# KiCad board pcb.kicad_pcb (continued)
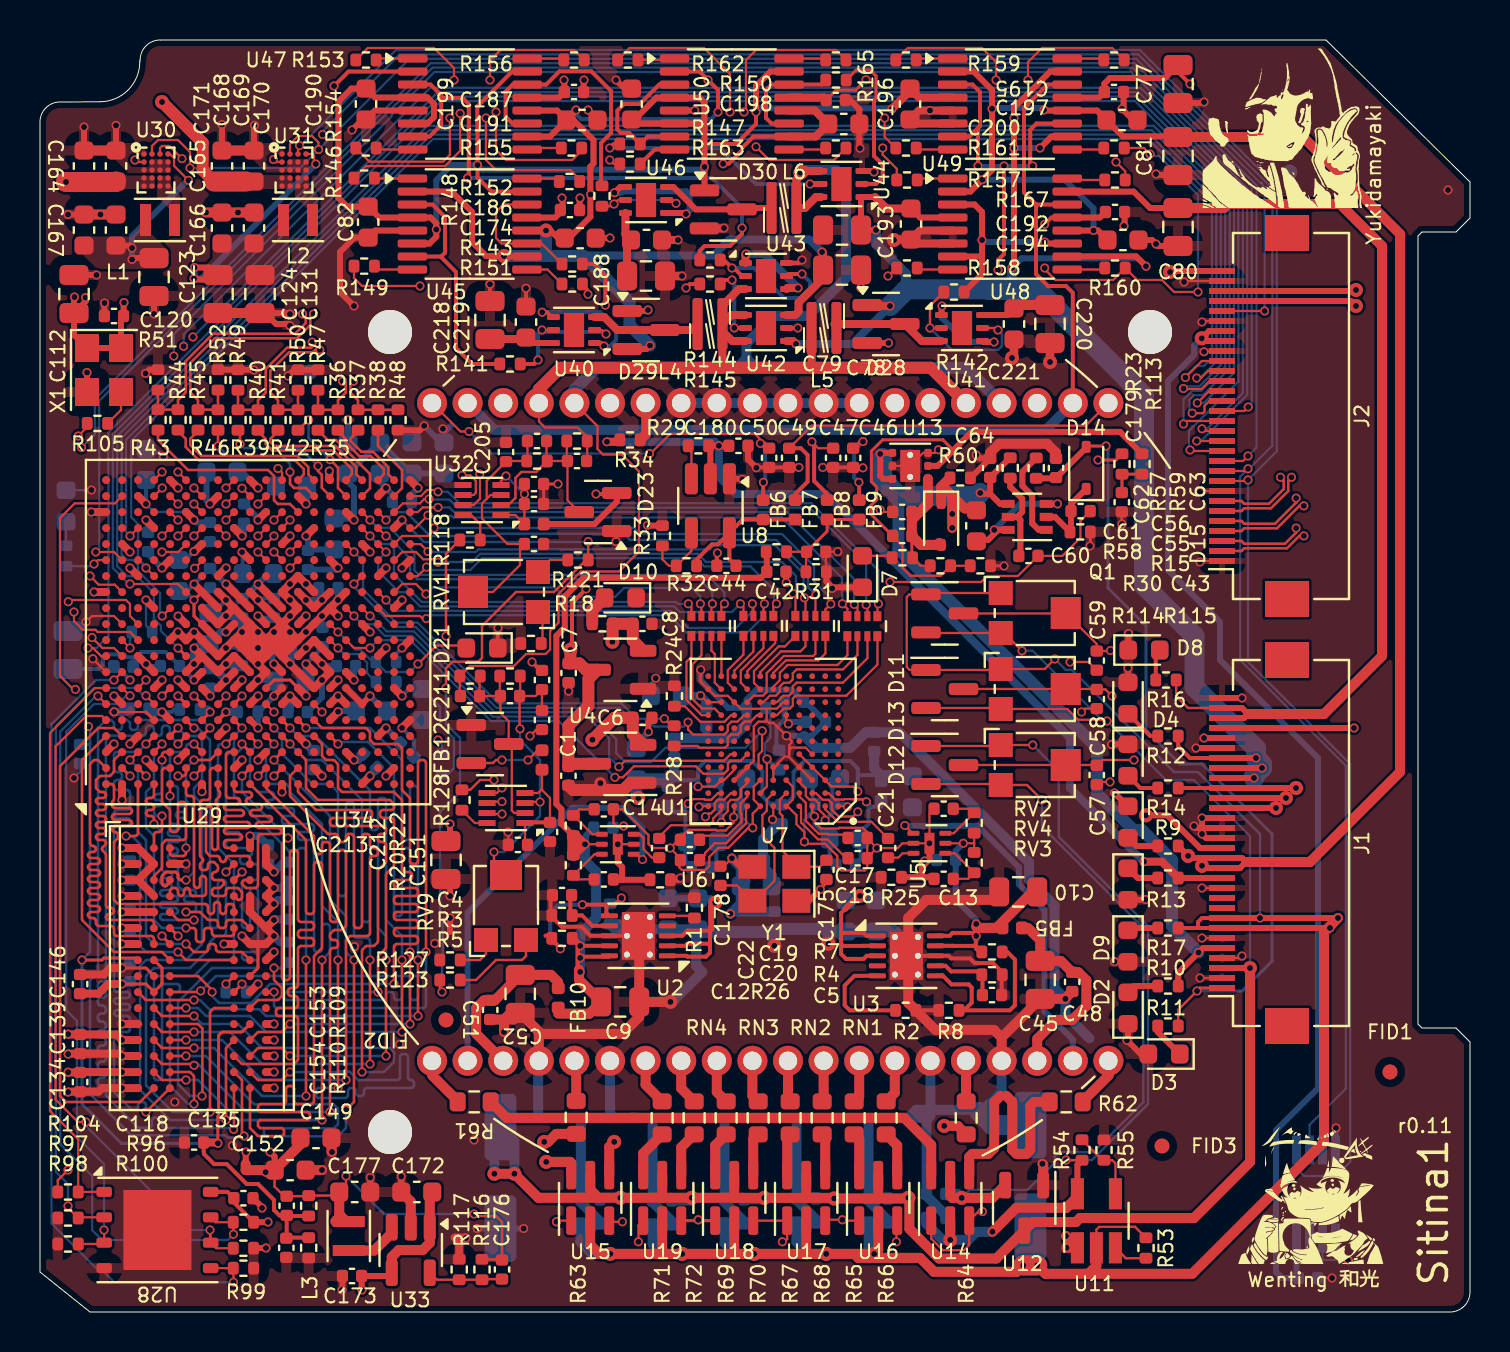
[diagram p0: board, top side]
## Routing (per net, layer and track width the routed paths; a pad name or vN(x,y) marks a point on that pad's centre or on a via; arc(x,y) is an arc through that point) (continued)
/ccd/VOGL: length 20.2
  Top w0.11: U10.40 52.29,44.32 38.59,44.32 C49.1
  Top w0.2: C49.1 38.04,43.19 38.38,42.85 38.38,41.52 37.76,40.9
/ccd/VOGR: length 21.8
  Top w0.11: v1(30.47,42.93) 30.58,43.03 30.64,43.03 31.51,43.91 35.74,43.91 C50.1 ; v1(21.45,44.03) 21.03,44.03 U10.21
  Top w0.2: C50.1 36.21,43.43 v1(36.02,43.43) ; v1(36.17,41.48) 36.16,41.47 36.16,40.9
  Bottom w0.11: v1(30.47,42.93) 22.55,42.93 v1(21.45,44.03)
  Bottom w0.2: v1(36.02,43.43) 36.25,43.2 36.25,41.57 v1(36.17,41.48)
/ccd/VRDL: length 13
  Top w0.11: C46.1 40.99,43.52 v1(41.15,43.52)
  Top w0.2: 40.96,40.9 40.96,41.47 v1(40.94,41.48)
  In2.Cu w0.13: v1(41.15,43.52) 41.73,44.11 48.52,44.11 U10.38
  Bottom w0.2: v1(40.94,41.48) 40.71,41.72 40.71,43.08 v1(41.15,43.52)
/ccd/VRDR: length 20.9
  Top w0.11: v1(38.59,43.51) 38.91,43.19 C47.1
  Top w0.2: 39.36,40.9 38.71,41.55 38.71,43.4 v1(38.59,43.51)
  In2.Cu w0.13: v1(38.59,43.51) 38.1,44.01 23.71,44.01 23.16,44.56 U10.23
/ccd_driver/H1BINL: length 19.9
  Top w0.5: R64.1 45.89,9.31 v2(45.21,9.31) ; v2(28.71,8.51) 28.46,8.26 U15.4
  In2.Cu w0.5: v2(28.71,8.51) 44.41,8.51 v2(45.21,9.31)
/ccd_driver/H1BINR: length 15
  Top w0.5: v2(25.31,7.51) 26.51,7.51 26.56,7.46 U15.6 ; R63.1 25.81,8.91 25.41,8.51 v2(25.21,8.51)
  In2.Cu w0.5: v2(25.31,7.51) 25.31,6.92 25.92,6.31 28.12,6.31 28.27,6.46 29.47,6.46 29.82,6.81 29.82,7.21 29.57,7.46 28.27,7.46 28.02,7.71 28.02,8.21 27.72,8.51 v2(25.21,8.51)
/ccd_driver/H1BL: length 2.1
  Top w0.5: R68.1 39.26,8.73 U17.4
/ccd_driver/H1BR: length 2.3
  Top w0.5: R69.1 33.76,8.33 U18.6
/ccd_driver/H1S: length 65.9
  Top w0.11: U17.3 39.3,4.61 v1(40.12,4.61) 40.16,4.57 U16.1 ; D13.3 RV4.2 52.82,31.15 C58.2 ; v1(25.82,4.51) 25.88,4.57 U15.1 ; U15.3 28.52,4.51 v1(29.12,4.51)
  Top w0.12: v1(53.6,30.8) 53.27,31.13 C58.2
  Top w0.15: U18.1 32.95,4.57 v3(32.91,4.61) 32.87,4.57 U19.3
  In2.Cu w0.11: 56.1,25.4 54.19,27.32 54.19,30.22 54.15,30.25 ; v1(25.82,4.51) v1(29.12,4.51) 32.81,4.51 v3(32.91,4.61) v1(40.12,4.61)
  In2.Cu w0.12: v1(40.12,4.61) 45.91,4.61 47.4,6.1 50.5,6.1 56.1,11.7 56.1,25.4 ; v1(53.6,30.8) 54.15,30.25
/ccd_driver/H1SL: length 2.1
  Top w0.5: U16.6 40.96,8.63 R65.1
/ccd_driver/H1SR: length 2.3
  Top w0.5: U19.4 32.06,8.23 R72.1
/ccd_driver/H2BL: length 2.1
  Top w0.5: R67.1 37.36,8.73 U17.6
/ccd_driver/H2BR: length 2.1
  Top w0.5: R70.1 35.66,8.63 U18.4
/ccd_driver/H2S: length 66.6
  Top w0.11: U18.3 U17.1 37.36,3.65 37.22,3.51 v1(37.12,3.51) ; U19.1 29.92,4.33 v1(29.92,3.51) ; D11.3 51.27,34.93 RV2.2 52.84,33.4 C59.2 53.5,33.05 v1(53.53,33.08) ; v1(42.82,3.51) 42.82,4.53 U16.3
  In2.Cu w0.11: v1(42.82,3.51) v1(37.12,3.51) v1(29.92,3.51)
  In2.Cu w0.12: v1(42.82,3.51) 43.07,3.51 43.92,4.36 47.41,4.36 47.95,4.9 50.3,4.9 56.7,11.3 56.7,29 53.53,32.18 v1(53.53,33.08)
/ccd_driver/H2SL: length 2.3
  Top w0.5: R66.1 42.86,8.33 U16.4
/ccd_driver/H2SR: length 2.4
  Top w0.5: R71.1 30.16,7.93 U19.6
/ccd_driver/RGS: length 42.7
  Top w0.11: v1(54.7,27.6) 53.11,27.6 C57.2 ; 52.82,27.35 RV3.2 D12.3 ; U14.1 44.56,3.67 45.14,3.09 46.2,3.09 46.46,3.35 U14.3 46.91,5.02 v1(47.12,5.02)
  In2.Cu w0.11: v1(47.12,5.02) 47.86,5.76 50.84,5.76 56.4,11.32 56.4,25.9 v1(54.7,27.6)
/ccd_driver/RL: length 12.2
  Top w0.5: R62.1 49.71,10.51 49.51,10.31 49.51,8.1 49.32,7.91 48.82,7.91 48.61,8.12 48.61,10.51 48.32,10.81 ; 48.02,10.81 47.71,10.5 47.71,8.2 47.42,7.91 46.61,7.91 46.46,7.76 U14.4
/ccd_driver/RR: length 24.4
  Top w0.5: U14.6 44.56,8.36 43.21,9.71 23.34,9.71 R61.1
/ccd_sampler/VMID_1: length 14.9
  Top w0.11: R126.2 24.01,30.83 C209.2 24.78,30.8 C210.1 C211.2
  Top w0.12: v1(24,29.16) 23.98,29.18 C209.2 ; v1(25,25.5) 24.3,25.5 U34.3 ; RV9.2 22.7,22.45 v1(22.7,23)
  Bottom w0.12: v1(24,29.16) 24,28.6 25,27.6 v1(25,25.5) 25,24.8 23.2,23 v1(22.7,23)
/ccd_sampler/VMID_2: length 12.9
  Top w0.11: U32.3 22.53,40.85 22.34,40.66 ; 22.34,40.66 22.34,41.56 C205.1 23.33,42.55 R119.2 24.37,42.58 C203.2 ; 22.34,40.66 22.1,40.43 22.1,39.68 23.38,38.4 C207.2 24,38.18 24,37.35 22.65,36 RV1.2
/fpga_config/FPGA_DONE: length 8.4
  Top w0.1: 14.5,34.4 v1(14.9,34)
  Top w0.11: v1(18.9,32.4) 19.82,33.33 21.4,33.33
  Bottom w0.11: v1(14.9,34) 15.78,33.12 16.02,33.12 16.64,32.5 R101.2 17.29,32 18.5,32 v1(18.9,32.4)
/fpga_config/INIT_B: length 3.5
  Top w0.1: 14.5,33.6 v1(14.9,33.2)
  Bottom w0.11: R102.2 16.35,31.95 16.35,32.47 15.93,32.9 15.2,32.9 v1(14.9,33.2)
/fpga_config/PROG_B: length 10.4
  Top w0.11: U27.L6 v1(11.7,30)
  In2.Cu w0.11: v1(11.7,30) 12.11,30.41 15.89,30.41 16.5,29.8 18.7,29.8 v1(19.9,28.6)
  Bottom w0.11: R103.2 20.1,28.4 v1(19.9,28.6)
/fpga_config/PS_CLK: length 17.2
  Top w0.11: v1(1.91,43.8) 2.36,44.25 R105.2
  Top w0.15: 6.5,31.2 v1(6.1,30.8)
  In2.Cu w0.11: v1(1.91,43.8) 1.66,43.55 1.66,36.15 3.1,34.71 3.1,32.8 4.1,31.8 4.1,31.35 4.24,31.21 5.69,31.21 v1(6.1,30.8)
/fpga_ddr/DRAM_ADDR0: length 39.4
  Top w0.127: 6.5,13.6 v1(7.3,13.6) ; 12.9,27.2 12.53,26.83 arc(12.51,26.8) 12.5,26.76 12.5,25.84 arc(12.51,25.8) 12.53,25.77 14.37,23.93 arc(14.4,23.91) 14.44,23.9 14.76,23.9 arc(14.8,23.89) 14.83,23.87 14.87,23.83 arc(14.89,23.8) 14.9,23.76 14.9,23.64 arc(14.91,23.6) 14.93,23.57 14.97,23.53 arc(15,23.51) 15.04,23.5 15.16,23.5 arc(15.2,23.51) 15.23,23.53 15.27,23.57 arc(15.29,23.6) 15.3,23.64 15.3,23.76 arc(15.31,23.8) 15.33,23.83 15.37,23.87 arc(15.4,23.89) 15.44,23.9 15.56,23.9 arc(15.6,23.89) 15.63,23.87 15.67,23.83 arc(15.69,23.8) 15.7,23.76 15.7,19.34 arc(15.71,19.3) 15.73,19.27 15.77,19.23 arc(15.8,19.21) 15.84,19.2 15.96,19.2 arc(16,19.21) 16.03,19.23 16.07,19.27 arc(16.09,19.3) 16.1,19.34 16.1,23.76 arc(16.11,23.8) 16.13,23.83 16.17,23.87 arc(16.2,23.89) 16.24,23.9 16.36,23.9 arc(16.4,23.89) 16.43,23.87 16.47,23.83 arc(16.49,23.8) 16.5,23.76 16.5,23.34 arc(16.51,23.3) 16.53,23.27 16.57,23.23 arc(16.6,23.21) 16.64,23.2 16.76,23.2 arc(16.8,23.19) 16.83,23.17 16.87,23.13 arc(16.89,23.1) 16.9,23.06 16.9,22.94 arc(16.89,22.9) 16.87,22.87 16.83,22.83 arc(16.8,22.81) 16.76,22.8 16.64,22.8 arc(16.6,22.79) 16.57,22.77 16.53,22.73 arc(16.51,22.7) 16.5,22.66 16.5,18.94 arc(16.49,18.9) 16.47,18.87 16.43,18.83 arc(16.4,18.81) 16.36,18.8 15.54,18.8 arc(15.5,18.79) 15.47,18.77 15.33,18.63 arc(15.31,18.6) 15.3,18.56 v1(15.3,11.6)
  Bottom w0.127: v1(15.3,11.6) 11.14,11.6 arc(11.1,11.61) 11.07,11.63 9.13,13.57 arc(9.1,13.59) 9.06,13.6 v1(7.3,13.6)
/fpga_ddr/DRAM_ADDR1: length 38.1
  Top w0.127: v1(12.4,23.7) 12.13,23.43 arc(12.11,23.4) 12.1,23.36 12.1,16.74 arc(12.11,16.7) 12.13,16.67 12.17,16.63 arc(12.2,16.61) 12.24,16.6 12.36,16.6 arc(12.4,16.61) 12.43,16.63 12.47,16.67 arc(12.49,16.7) 12.5,16.74 12.5,22.96 arc(12.51,23) 12.53,23.03 12.57,23.07 arc(12.6,23.09) 12.64,23.1 12.76,23.1 arc(12.8,23.09) 12.83,23.07 12.87,23.03 arc(12.89,23) 12.9,22.96 12.9,19.64 arc(12.91,19.6) 12.93,19.57 12.97,19.53 arc(13,19.51) 13.04,19.5 13.56,19.5 arc(13.6,19.49) 13.63,19.47 13.67,19.43 arc(13.69,19.4) 13.7,19.36 13.7,19.24 arc(13.69,19.2) 13.67,19.17 13.63,19.13 arc(13.6,19.11) 13.56,19.1 13.04,19.1 arc(13,19.09) 12.97,19.07 12.93,19.03 arc(12.91,19) 12.9,18.96 12.9,18.84 arc(12.91,18.8) 12.93,18.77 12.97,18.73 arc(13,18.71) 13.04,18.7 13.56,18.7 arc(13.6,18.69) 13.63,18.67 13.67,18.63 arc(13.69,18.6) 13.7,18.56 13.7,18.44 arc(13.69,18.4) 13.67,18.37 13.63,18.33 arc(13.6,18.31) 13.56,18.3 13.04,18.3 arc(13,18.29) 12.97,18.27 12.93,18.23 arc(12.91,18.2) 12.9,18.16 12.9,16.34 arc(12.89,16.3) 12.87,16.27 12.83,16.23 arc(12.8,16.21) 12.76,16.2 12.54,16.2 arc(12.5,16.19) 12.47,16.17 12.43,16.13 arc(12.41,16.1) 12.4,16.06 12.4,15.94 arc(12.41,15.9) 12.43,15.87 12.47,15.83 arc(12.5,15.81) 12.54,15.8 12.76,15.8 arc(12.8,15.79) 12.83,15.77 12.87,15.73 arc(12.89,15.7) 12.9,15.66 12.9,15.34 arc(12.89,15.3) 12.87,15.27 12.83,15.23 arc(12.8,15.21) 12.76,15.2 11.94,15.2 arc(11.9,15.19) 11.87,15.17 11.83,15.13 arc(11.81,15.1) 11.8,15.06 11.8,14.94 arc(11.81,14.9) 11.83,14.87 11.87,14.83 arc(11.9,14.81) 11.94,14.8 12.76,14.8 arc(12.8,14.79) 12.83,14.77 12.87,14.73 arc(12.89,14.7) 12.9,14.66 12.9,12.64 arc(12.89,12.6) 12.87,12.57 12.73,12.43 arc(12.7,12.41) 12.66,12.4 10.14,12.4 arc(10.1,12.41) 10.07,12.43 9.7,12.8
  Top w0.15: 10.5,27.2 v1(10.1,26.8)
  Bottom w0.127: v1(12.4,23.7) 10.13,25.97 arc(10.11,26) 10.1,26.04 v1(10.1,26.8)
/fpga_ddr/DRAM_ADDR2: length 39.4
  Top w0.127: v1(15.7,17.6) 15.7,10.5 v1(15.3,10.1) ; 6.5,12.8 v1(7.3,12.8)
  Top w0.15: 12.1,28 v1(11.7,27.6)
  Bottom w0.127: v1(15.3,10.1) 15.3,9.2 14.9,8.8 14.9,8.78 11.32,8.78 11.2,8.9 11.2,9.1 11.28,9.18 14.7,9.18 14.9,9.38 14.9,10.16 14.67,10.4 14.11,10.4 14.1,10.38 10.75,10.38 arc(10.71,10.39) 10.68,10.41 8.29,12.8 7.32,12.8 7.3,12.78 ; v1(11.7,27.6) 14.47,24.83 arc(14.49,24.8) 14.5,24.76 14.5,20.64 arc(14.51,20.6) 14.53,20.57 15.27,19.83 arc(15.29,19.8) 15.3,19.76 15.3,18 v1(15.7,17.6)
/fpga_ddr/DRAM_ADDR3: length 29.2
  Top w0.127: v1(7.7,13.2) 6.14,13.2 arc(6.1,13.21) 6.07,13.23 5.7,13.6 ; v1(13.3,10.8) v1(13.3,17.6)
  Top w0.15: 10.5,28 v1(10.1,28.4)
  Bottom w0.127: v1(13.3,17.6) 13.3,23.06 arc(13.29,23.1) 13.27,23.13 13.23,23.17 arc(13.2,23.19) 13.16,23.2 13.04,23.2 arc(13,23.19) 12.97,23.17 12.83,23.03 12.47,23.03 11.89,23.61 11.89,23.63 11.62,23.9 11.6,23.9 9.73,25.77 arc(9.71,25.8) 9.7,25.84 9.7,27.76 arc(9.71,27.8) 9.73,27.83 10.07,28.17 arc(10.09,28.2) 10.1,28.24 v1(10.1,28.4) ; v1(13.3,10.8) 11.14,10.8 arc(11.1,10.81) 11.07,10.83 8.73,13.17 arc(8.7,13.19) 8.66,13.2 v1(7.7,13.2)
/fpga_ddr/DRAM_ADDR4: length 34.3
  Top w0.127: v1(12.5,12.8) 12.13,13.17 arc(12.1,13.19) 12.06,13.2 10.94,13.2 arc(10.9,13.19) 10.87,13.17 10.5,12.8 ; v1(17.3,12.8) v1(17.3,17.6)
  Top w0.15: 12.1,28.8 v1(12.5,28.4)
  Bottom w0.127: v1(12.5,12.8) v1(17.3,12.8) ; v1(12.5,28.4) 13.27,27.63 arc(13.3,27.61) 13.34,27.6 14.06,27.6 arc(14.1,27.59) 14.13,27.57 16.07,25.63 arc(16.09,25.6) 16.1,25.56 16.1,19.64 arc(16.11,19.6) 16.13,19.57 16.17,19.53 arc(16.2,19.51) 16.24,19.5 16.36,19.5 arc(16.4,19.51) 16.43,19.53 16.47,19.57 arc(16.49,19.6) 16.5,19.64 16.5,23.56 arc(16.51,23.6) 16.53,23.63 16.57,23.67 arc(16.6,23.69) 16.64,23.7 16.76,23.7 arc(16.8,23.69) 16.83,23.67 16.87,23.63 arc(16.89,23.6) 16.9,23.56 16.9,19.24 arc(16.91,19.2) 16.93,19.17 17.27,18.83 arc(17.29,18.8) 17.3,18.76 v1(17.3,17.6)
/fpga_ddr/DRAM_ADDR5: length 37.9
  Top w0.127: 5.7,12.8 6.07,12.43 arc(6.1,12.41) 6.14,12.4 7.7,12.4 ; 11.3,26.4 11.3,26.24 arc(11.31,26.2) 11.33,26.17 13.67,23.83 arc(13.69,23.8) 13.7,23.76 13.7,23.04 arc(13.71,23) 13.73,22.97 13.77,22.93 arc(13.8,22.91) 13.84,22.9 13.96,22.9 arc(14,22.91) 14.03,22.93 14.07,22.97 arc(14.09,23) 14.1,23.04 14.1,23.36 arc(14.11,23.4) 14.13,23.43 14.17,23.47 arc(14.2,23.49) 14.24,23.5 14.36,23.5 arc(14.4,23.49) 14.43,23.47 14.47,23.43 arc(14.49,23.4) 14.5,23.36 14.5,19.64 arc(14.51,19.6) 14.53,19.57 14.57,19.53 arc(14.6,19.51) 14.64,19.5 14.76,19.5 arc(14.8,19.51) 14.83,19.53 14.87,19.57 arc(14.89,19.6) 14.9,19.64 14.9,22.96 arc(14.91,23) 14.93,23.03 14.97,23.07 arc(15,23.09) 15.04,23.1 15.16,23.1 arc(15.2,23.09) 15.23,23.07 15.27,23.03 arc(15.29,23) 15.3,22.96 15.3,19.34 arc(15.29,19.3) 15.27,19.27 15.13,19.13 arc(15.1,19.11) 15.06,19.1 14.74,19.1 arc(14.7,19.09) 14.67,19.07 14.53,18.93 arc(14.51,18.9) 14.5,18.86 14.5,18.74 arc(14.51,18.7) 14.53,18.67 14.57,18.63 arc(14.6,18.61) 14.64,18.6 14.76,18.6 arc(14.8,18.59) 14.83,18.57 14.87,18.53 arc(14.89,18.5) 14.9,18.46 14.9,18.34 arc(14.89,18.3) 14.87,18.27 14.83,18.23 arc(14.8,18.21) 14.76,18.2 14.64,18.2 arc(14.6,18.19) 14.57,18.17 14.53,18.13 arc(14.51,18.1) 14.5,18.06 v1(14.5,10)
  Bottom w0.127: v1(14.5,10) 10.34,10 arc(10.3,10.01) 10.27,10.03 7.93,12.37 arc(7.9,12.39) 7.86,12.4 7.7,12.4 7.7,12.34 v1(7.7,12.34)
/fpga_ddr/DRAM_ADDR6: length 38.5
  Top w0.127: v1(12.5,12) 12.13,11.63 arc(12.1,11.61) 12.06,11.6 10.94,11.6 arc(10.9,11.61) 10.87,11.63 10.5,12 ; v1(14.9,11.2) v1(14.9,17.6)
  Top w0.15: 11.3,28.8 v1(11.7,28.4)
  Bottom w0.127: v1(11.7,28.4) 11.3,28 11.3,26.64 arc(11.31,26.6) 11.33,26.57 11.47,26.43 arc(11.5,26.41) 11.54,26.4 12.26,26.4 arc(12.3,26.39) 12.33,26.37 12.47,26.23 arc(12.49,26.2) 12.5,26.16 12.5,26.04 arc(12.51,26) 12.53,25.97 14.07,24.43 arc(14.09,24.4) 14.1,24.36 14.1,20.34 arc(14.11,20.3) 14.13,20.27 14.87,19.53 arc(14.89,19.5) 14.9,19.46 v1(14.9,17.6) ; v1(14.9,11.2) 13.9,11.2 13.8,11.1 13.8,10.8 13.9,10.7 15.3,10.7 15.4,10.8 15.4,11.1 15.5,11.2 15.7,11.2 15.8,11.1 15.8,10.9 15.9,10.8 16.1,10.8 16.2,10.9 16.2,11.1 16.3,11.2 18.6,11.2 18.7,11.3 18.7,11.5 18.6,11.6 18.5,11.6 18.4,11.7 18.4,12.8 18.3,12.9 18.1,12.9 18,12.8 18,11.7 17.9,11.6 15.9,11.6 15.48,12.02 15.01,12.02 14.98,12 12.5,12
/fpga_ddr/DRAM_ADDR7: length 38.1
  Top w0.127: v1(14.1,9.6) v1(14.1,17.6) ; v1(7.3,11.6) 6.14,11.6 arc(6.1,11.61) 6.07,11.63 5.7,12
  Top w0.15: v1(10.9,28.4) 10.5,28.8
  Bottom w0.127: v1(7.3,11.6) 7.86,11.6 arc(7.9,11.59) 7.93,11.57 9.87,9.63 arc(9.9,9.61) 9.94,9.6 ; v1(14.1,17.6) 14.47,17.97 arc(14.49,18) 14.5,18.04 14.5,19.26 arc(14.49,19.3) 14.47,19.33 14.43,19.37 arc(14.4,19.39) 14.36,19.4 14.24,19.4 arc(14.2,19.39) 14.17,19.37 14.13,19.33 arc(14.11,19.3) 14.1,19.26 14.1,18.14 arc(14.09,18.1) 14.07,18.07 14.03,18.03 arc(14,18.01) 13.96,18 13.84,18 arc(13.8,18.01) 13.77,18.03 13.73,18.07 arc(13.71,18.1) 13.7,18.14 13.7,23.46 arc(13.69,23.5) 13.67,23.53 13.63,23.57 arc(13.6,23.59) 13.56,23.6 13.04,23.6 arc(13,23.61) 12.97,23.63 12.93,23.67 arc(12.91,23.7) 12.9,23.74 12.9,23.86 arc(12.91,23.9) 12.93,23.93 12.97,23.97 arc(13,23.99) 13.04,24 13.56,24 arc(13.6,24.01) 13.63,24.03 13.67,24.07 arc(13.69,24.1) 13.7,24.14 13.7,24.26 arc(13.69,24.3) 13.67,24.33 13.63,24.37 arc(13.6,24.39) 13.56,24.4 12.24,24.4 arc(12.2,24.41) 12.17,24.43 12.13,24.47 arc(12.11,24.5) 12.1,24.54 12.1,24.66 arc(12.11,24.7) 12.13,24.73 12.17,24.77 arc(12.2,24.79) 12.24,24.8 12.56,24.8 arc(12.6,24.81) 12.63,24.83 12.67,24.87 arc(12.69,24.9) 12.7,24.94 12.7,25.06 arc(12.69,25.1) 12.67,25.13 12.63,25.17 arc(12.6,25.19) 12.56,25.2 11.44,25.2 arc(11.4,25.21) 11.37,25.23 11.33,25.27 arc(11.31,25.3) 11.3,25.34 11.3,25.46 arc(11.31,25.5) 11.33,25.53 11.37,25.57 arc(11.4,25.59) 11.44,25.6 11.56,25.6 arc(11.6,25.61) 11.63,25.63 11.67,25.67 arc(11.69,25.7) 11.7,25.74 11.7,25.86 arc(11.69,25.9) 11.67,25.93 11.63,25.97 arc(11.6,25.99) 11.56,26 10.94,26 arc(10.9,26.01) 10.87,26.03 10.53,26.37 arc(10.51,26.4) 10.5,26.44 10.5,28 v1(10.9,28.4)
  Bottom w0.15: 9.94,9.6 14.1,9.6
/fpga_ddr/DRAM_ADDR8: length 38.7
  Top w0.127: 10.5,26.4 13.27,23.63 arc(13.29,23.6) 13.3,23.56 13.3,20.04 arc(13.31,20) 13.33,19.97 13.37,19.93 arc(13.4,19.91) 13.44,19.9 13.56,19.9 arc(13.6,19.91) 13.63,19.93 13.67,19.97 arc(13.69,20) 13.7,20.04 13.7,22.36 arc(13.71,22.4) 13.73,22.43 13.77,22.47 arc(13.8,22.49) 13.84,22.5 13.96,22.5 arc(14,22.49) 14.03,22.47 14.07,22.43 arc(14.09,22.4) 14.1,22.36 14.1,18.24 arc(14.09,18.2) 14.07,18.17 13.73,17.83 arc(13.71,17.8) 13.7,17.76 13.7,10.54 arc(13.69,10.5) 13.67,10.47 13.63,10.43 arc(13.6,10.41) 13.56,10.4 12.84,10.4 arc(12.8,10.41) 12.77,10.43 12.73,10.47 arc(12.71,10.5) 12.7,10.54 12.7,11.16 arc(12.69,11.2) 12.67,11.23 12.63,11.27 arc(12.6,11.29) 12.56,11.3 12.44,11.3 arc(12.4,11.29) 12.37,11.27 12.33,11.23 arc(12.31,11.2) 12.3,11.16 12.3,10.54 arc(12.29,10.5) 12.27,10.47 12.23,10.43 arc(12.2,10.41) 12.16,10.4 11.04,10.4 arc(11,10.39) 10.97,10.37 10.93,10.33 arc(10.91,10.3) 10.9,10.26 10.9,10.14 arc(10.91,10.1) 10.93,10.07 10.97,10.03 arc(11,10.01) 11.04,10 13.36,10 arc(13.4,9.99) 13.43,9.97 13.47,9.93 arc(13.49,9.9) 13.5,9.86 13.5,9.74 arc(13.49,9.7) 13.47,9.67 ; 10.5,11.2 10.5,9.2 10.87,8.82 arc(10.91,8.8) 10.94,8.8 12.1,8.8 12.2,8.9 12.2,9.1 12.2,9.1 12.1,9.2 11,9.2 10.9,9.3 10.9,9.5 11,9.6 11,9.6 13.36,9.6
  Top w0.15: 13.36,9.6 arc(13.4,9.61) 13.43,9.63
/fpga_ddr/DRAM_ADDR9: length 36.8
  Top w0.127: v1(7.7,10.4) 7.7,11.76 arc(7.69,11.8) 7.67,11.83 7.53,11.97 arc(7.5,11.99) 7.46,12 6.5,12
  Top w0.15: 9.7,28.8 v1(9.3,28.4)
  Bottom w0.127: v1(7.7,10.4) 7.4,10.4 6.5,11.3 6.5,15.86 arc(6.51,15.9) 6.53,15.93 6.57,15.97 arc(6.6,15.99) 6.64,16 6.86,16 arc(6.9,16.01) 6.93,16.03 6.97,16.07 arc(6.99,16.1) 7,16.14 7,16.26 arc(6.99,16.3) 6.97,16.33 6.93,16.37 arc(6.9,16.39) 6.86,16.4 6.24,16.4 arc(6.2,16.39) 6.17,16.37 6.13,16.33 arc(6.11,16.3) 6.1,16.26 6.1,11.74 arc(6.09,11.7) 6.07,11.67 6.03,11.63 arc(6,11.61) 5.96,11.6 5.84,11.6 arc(5.8,11.61) 5.77,11.63 5.73,11.67 arc(5.71,11.7) 5.7,11.74 5.7,16.56 arc(5.71,16.6) 5.73,16.63 5.87,16.77 arc(5.9,16.79) 5.94,16.8 7.66,16.8 arc(7.7,16.81) 7.73,16.83 8.47,17.57 arc(8.5,17.59) 8.54,17.6 9.46,17.6 arc(9.5,17.61) 9.53,17.63 9.67,17.77 arc(9.69,17.8) 9.7,17.84 9.7,22.36 arc(9.69,22.4) 9.67,22.43 8.93,23.17 arc(8.91,23.2) 8.9,23.24 8.9,28.26 arc(8.91,28.3) 8.93,28.33 8.97,28.37 arc(9,28.39) 9.04,28.4 v1(9.3,28.4)
/fpga_ddr/DRAM_ADDR10: length 37.1
  Top w0.127: 9.7,15.2 8.74,15.2 arc(8.7,15.19) 8.67,15.17 8.53,15.03 arc(8.51,15) 8.5,14.96 v1(8.5,10)
  Top w0.15: 7.3,29.6 v1(7.7,29.2)
  Bottom w0.127: v1(7.7,29.2) 7.86,29.2 arc(7.9,29.19) 7.93,29.17 8.47,28.63 arc(8.49,28.6) 8.5,28.56 8.5,19.34 arc(8.51,19.3) 8.53,19.27 8.57,19.23 arc(8.6,19.21) 8.64,19.2 8.76,19.2 arc(8.8,19.21) 8.83,19.23 8.87,19.27 arc(8.89,19.3) 8.9,19.34 8.9,21.46 arc(8.91,21.5) 8.93,21.53 8.97,21.57 arc(9,21.59) 9.04,21.6 9.16,21.6 arc(9.2,21.59) 9.23,21.57 9.27,21.53 arc(9.29,21.5) 9.3,21.46 9.3,18.94 arc(9.29,18.9) 9.27,18.87 9.23,18.83 arc(9.2,18.81) 9.16,18.8 8.84,18.8 arc(8.8,18.79) 8.77,18.77 8.53,18.53 arc(8.51,18.5) 8.5,18.46 8.5,18.24 arc(8.49,18.2) 8.47,18.17 7.53,17.23 arc(7.5,17.21) 7.46,17.2 5.74,17.2 arc(5.7,17.19) 5.67,17.17 5.33,16.83 arc(5.31,16.8) 5.3,16.76 5.3,11.33 6.63,10 v1(8.5,10)
/fpga_ddr/DRAM_ADDR11: length 38.4
  Top w0.127: 9.7,12 10.07,11.63 arc(10.09,11.61) 10.1,11.58 10.1,8.9 v1(10.2,8.8)
  Top w0.15: 8.1,28.8 v1(8.5,29.2)
  Bottom w0.127: v1(8.5,29.2) 8.1,29.6 5,29.6 4.9,29.5 4.9,29.24 arc(4.89,29.2) 4.87,29.17 4.83,29.13 arc(4.8,29.11) 4.76,29.1 4.64,29.1 arc(4.6,29.11) 4.57,29.13 4.53,29.17 arc(4.51,29.2) 4.5,29.24 4.5,29.46 4.36,29.6 4.2,29.6 4.1,29.5 4.1,29.24 arc(4.09,29.2) 4.07,29.17 4.03,29.13 arc(4,29.11) 3.96,29.1 3.84,29.1 arc(3.8,29.11) 3.77,29.13 3.73,29.17 arc(3.71,29.2) 3.7,29.24 3.7,29.46 3.56,29.6 3.3,29.6 2.93,29.23 arc(2.91,29.2) 2.9,29.16 2.9,17.04 arc(2.89,17) 2.87,16.97 2.53,16.63 arc(2.51,16.6) 2.5,16.56 2.5,10.94 arc(2.51,10.9) 2.53,10.87 4.57,8.83 ; 4.58,8.84 9.26,8.84 9.38,8.72 10.12,8.72 v1(10.2,8.8)
/fpga_ddr/DRAM_ADDR12: length 31.3
  Top w0.127: 9.7,13.6 9.33,13.23 arc(9.31,13.2) 9.3,13.16 v1(9.3,9.6)
  Top w0.15: 6.5,28.8 v1(6.9,29.2)
  Bottom w0.127: v1(6.9,29.2) 7.27,28.83 arc(7.3,28.81) 7.34,28.8 7.86,28.8 arc(7.9,28.79) 7.93,28.77 8.07,28.63 arc(8.09,28.6) 8.1,28.56 8.1,26.64 arc(8.09,26.6) 8.07,26.57 7.73,26.23 arc(7.71,26.2) 7.7,26.16 7.7,25.84 arc(7.71,25.8) 7.73,25.77 8.07,25.43 arc(8.09,25.4) 8.1,25.36 8.1,18.44 arc(8.09,18.4) 8.07,18.37 7.33,17.63 arc(7.3,17.61) 7.26,17.6 5.34,17.6 arc(5.3,17.59) 5.27,17.57 5,17.3 5,11.1 6.47,9.63 arc(6.5,9.61) 6.54,9.6 v1(9.3,9.6)
/fpga_ddr/DRAM_ADDR13: length 30.8
  Top w0.127: v1(5.3,10) 6.5,11.2
  Top w0.15: 5.7,28.8 v1(5.3,28.4)
  Bottom w0.127: v1(5.3,28.4) 4.93,28.03 arc(4.9,28.01) 4.86,28 3.84,28 arc(3.8,27.99) 3.77,27.97 3.73,27.93 arc(3.71,27.9) 3.7,27.86 3.7,27.14 arc(3.71,27.1) 3.73,27.07 3.77,27.03 arc(3.8,27.01) 3.84,27 3.96,27 arc(4,26.99) 4.03,26.97 4.07,26.93 arc(4.09,26.9) 4.1,26.86 4.1,26.74 arc(4.09,26.7) 4.07,26.67 4.03,26.63 arc(4,26.61) 3.96,26.6 3.84,26.6 arc(3.8,26.59) 3.77,26.57 3.73,26.53 arc(3.71,26.5) 3.7,26.46 3.7,26.24 arc(3.71,26.2) 3.73,26.17 3.77,26.13 arc(3.8,26.11) 3.84,26.1 4.36,26.1 arc(4.4,26.09) 4.43,26.07 4.47,26.03 arc(4.49,26) 4.5,25.96 4.5,25.24 arc(4.49,25.2) 4.47,25.17 4.43,25.13 arc(4.4,25.11) 4.36,25.1 3.84,25.1 arc(3.8,25.09) 3.77,25.07 3.73,25.03 arc(3.71,25) 3.7,24.96 3.7,24.84 arc(3.71,24.8) 3.73,24.77 3.77,24.73 arc(3.8,24.71) 3.84,24.7 4.36,24.7 arc(4.4,24.69) 4.43,24.67 4.47,24.63 arc(4.49,24.6) 4.5,24.56 4.5,24.44 arc(4.49,24.4) 4.47,24.37 4.43,24.33 arc(4.4,24.31) 4.36,24.3 3.84,24.3 arc(3.8,24.29) 3.77,24.27 3.73,24.23 arc(3.71,24.2) 3.7,24.16 3.7,16.14 arc(3.71,16.1) 3.73,16.07 3.77,16.03 arc(3.8,16.01) 3.84,16 4.36,16 arc(4.4,15.99) 4.43,15.97 4.47,15.93 arc(4.49,15.9) 4.5,15.86 4.5,15.84 arc(4.49,15.8) 4.47,15.77 4.43,15.73 arc(4.4,15.71) 4.36,15.7 3.84,15.7 arc(3.8,15.69) 3.77,15.67 3.73,15.63 arc(3.71,15.6) 3.7,15.56 3.7,15.54 arc(3.71,15.5) 3.73,15.47 3.77,15.43 arc(3.8,15.41) 3.84,15.4 4.36,15.4 arc(4.4,15.39) 4.43,15.37 4.47,15.33 arc(4.49,15.3) 4.5,15.26 4.5,15.24 arc(4.49,15.2) 4.47,15.17 4.43,15.13 arc(4.4,15.11) 4.36,15.1 3.84,15.1 arc(3.8,15.09) 3.77,15.07 3.73,15.03 arc(3.71,15) 3.7,14.96 3.7,14.94 arc(3.71,14.9) 3.73,14.87 3.77,14.83 arc(3.8,14.81) 3.84,14.8 4.36,14.8 arc(4.4,14.79) 4.43,14.77 4.47,14.73 arc(4.49,14.7) 4.5,14.66 4.5,14.14 arc(4.49,14.1) 4.47,14.07 4.43,14.03 arc(4.4,14.01) 4.36,14 3.84,14 arc(3.8,13.99) 3.77,13.97 3.73,13.93 arc(3.71,13.9) 3.7,13.86 3.7,11.04 arc(3.71,11) 3.73,10.97 4.57,10.13 arc(4.6,10.11) 4.64,10.1 4.76,10.1 arc(4.8,10.11) 4.83,10.13 4.87,10.17 arc(4.89,10.2) 4.9,10.24 4.9,10.36 arc(4.91,10.4) 4.93,10.43 4.97,10.47 arc(5,10.49) 5.04,10.5 5.16,10.5 arc(5.2,10.49) 5.23,10.47 5.27,10.43 arc(5.29,10.4) 5.3,10.36 v1(5.3,10)
/fpga_ddr/DRAM_ADDR14: length 37.3
  Top w0.127: 9.7,11.2 9.7,9.2
  Top w0.15: 7.3,28.8 v1(6.9,28.4)
  Bottom w0.127: 9.69,9.22 9.68,9.2 6.25,9.2 6.24,9.22 arc(6.2,9.22) 6.17,9.24 6.12,9.29 arc(6.1,9.32) 6.09,9.36 6.09,9.57 arc(6.09,9.61) 6.07,9.64 6.02,9.69 arc(5.99,9.71) 5.95,9.72 5.74,9.72 arc(5.7,9.71) 5.67,9.69 5.62,9.64 arc(5.6,9.61) 5.59,9.57 5.59,9.36 arc(5.59,9.32) 5.57,9.29 5.52,9.24 arc(5.49,9.22) 5.45,9.22 4.94,9.22 arc(4.9,9.22) 4.87,9.24 3.32,10.79 arc(3.3,10.82) 3.29,10.86 3.29,11.17 arc(3.29,11.21) 3.27,11.24 3.22,11.29 arc(3.19,11.31) 3.15,11.32 3.04,11.32 arc(3,11.32) 2.97,11.34 2.92,11.39 arc(2.9,11.42) 2.89,11.46 2.89,11.57 arc(2.9,11.61) 2.92,11.64 2.97,11.69 arc(3,11.71) 3.04,11.72 3.15,11.72 arc(3.19,11.72) 3.22,11.74 3.27,11.79 arc(3.29,11.82) 3.29,11.86 3.29,11.97 arc(3.29,12.01) 3.27,12.04 3.22,12.09 arc(3.19,12.11) 3.15,12.12 3.04,12.12 arc(3,12.12) 2.97,12.14 2.92,12.19 arc(2.9,12.22) 2.89,12.26 2.89,12.37 arc(2.9,12.41) 2.92,12.44 2.97,12.49 arc(3,12.51) 3.04,12.52 3.15,12.52 arc(3.19,12.52) 3.22,12.54 3.27,12.59 arc(3.29,12.62) 3.29,12.66 3.29,12.77 arc(3.29,12.81) 3.27,12.84 3.22,12.89 arc(3.19,12.91) 3.15,12.92 3.04,12.92 arc(3,12.92) 2.97,12.94 2.92,12.99 arc(2.9,13.02) 2.89,13.06 2.89,13.17 arc(2.9,13.21) 2.92,13.24 2.97,13.29 arc(3,13.31) 3.04,13.32 3.15,13.32 arc(3.19,13.32) 3.22,13.34 3.27,13.39 arc(3.29,13.42) 3.29,13.46 3.29,13.57 arc(3.29,13.61) 3.27,13.64 3.22,13.69 arc(3.19,13.71) 3.15,13.72 3.04,13.72 arc(3,13.72) 2.97,13.74 2.92,13.79 arc(2.9,13.82) 2.89,13.86 2.89,13.97 arc(2.9,14.01) 2.92,14.04 2.97,14.09 arc(3,14.11) 3.04,14.12 3.15,14.12 arc(3.19,14.12) 3.22,14.14 3.27,14.19 arc(3.29,14.22) 3.29,14.26 3.29,14.37 arc(3.29,14.41) 3.27,14.44 3.22,14.49 arc(3.19,14.51) 3.15,14.52 3.04,14.52 arc(3,14.52) 2.97,14.54 2.92,14.59 arc(2.9,14.62) 2.89,14.66 2.89,14.77 arc(2.9,14.81) 2.92,14.84 2.97,14.89 arc(3,14.91) 3.04,14.92 3.15,14.92 arc(3.19,14.92) 3.22,14.94 3.27,14.99 arc(3.29,15.02) 3.29,15.06 3.29,15.17 arc(3.29,15.21) 3.27,15.24 3.22,15.29 arc(3.19,15.31) 3.15,15.32 3.04,15.32 arc(3,15.32) 2.97,15.34 2.92,15.39 arc(2.9,15.42) 2.89,15.46 2.89,15.57 arc(2.9,15.61) 2.92,15.64 2.97,15.69 arc(3,15.71) 3.04,15.72 3.15,15.72 arc(3.19,15.72) 3.22,15.74 3.27,15.79 arc(3.29,15.82) 3.29,15.86 3.29,15.97 arc(3.29,16.01) 3.27,16.04 3.22,16.09 arc(3.19,16.11) 3.15,16.12 3.04,16.12 arc(3,16.12) 2.97,16.14 2.92,16.19 arc(2.9,16.22) 2.89,16.26 2.89,16.37 arc(2.9,16.41) 2.92,16.44 2.97,16.49 arc(3,16.51) 3.04,16.52 3.15,16.52 arc(3.19,16.52) 3.22,16.54 3.27,16.59 arc(3.29,16.62) 3.29,16.66 3.29,28.57 arc(3.3,28.61) 3.32,28.64 3.47,28.79 arc(3.5,28.81) 3.54,28.82 5.15,28.82 arc(5.19,28.82) 5.22,28.84 5.27,28.89 arc(5.29,28.92) 5.29,28.96 5.29,29.17 arc(5.3,29.21) 5.32,29.24 5.37,29.29 arc(5.4,29.31) 5.44,29.32 5.55,29.32 arc(5.59,29.31) 5.62,29.29 5.67,29.24 arc(5.69,29.21) 5.69,29.17 5.69,28.96 arc(5.7,28.92) 5.72,28.89 5.77,28.84 arc(5.8,28.82) 5.84,28.82 5.95,28.82 arc(5.99,28.82) 6.02,28.84 6.07,28.89 arc(6.09,28.92) 6.09,28.96 6.09,29.17 arc(6.1,29.21) 6.12,29.24 6.17,29.29 arc(6.2,29.31) 6.24,29.32 6.35,29.32 arc(6.39,29.31) 6.42,29.29 6.47,29.24 arc(6.49,29.21) 6.49,29.17 6.49,28.86 arc(6.5,28.82) 6.52,28.79 6.89,28.42